# Altium PCB PCB_Rev1.1.PcbDoc (part 1 of 3) (continued)
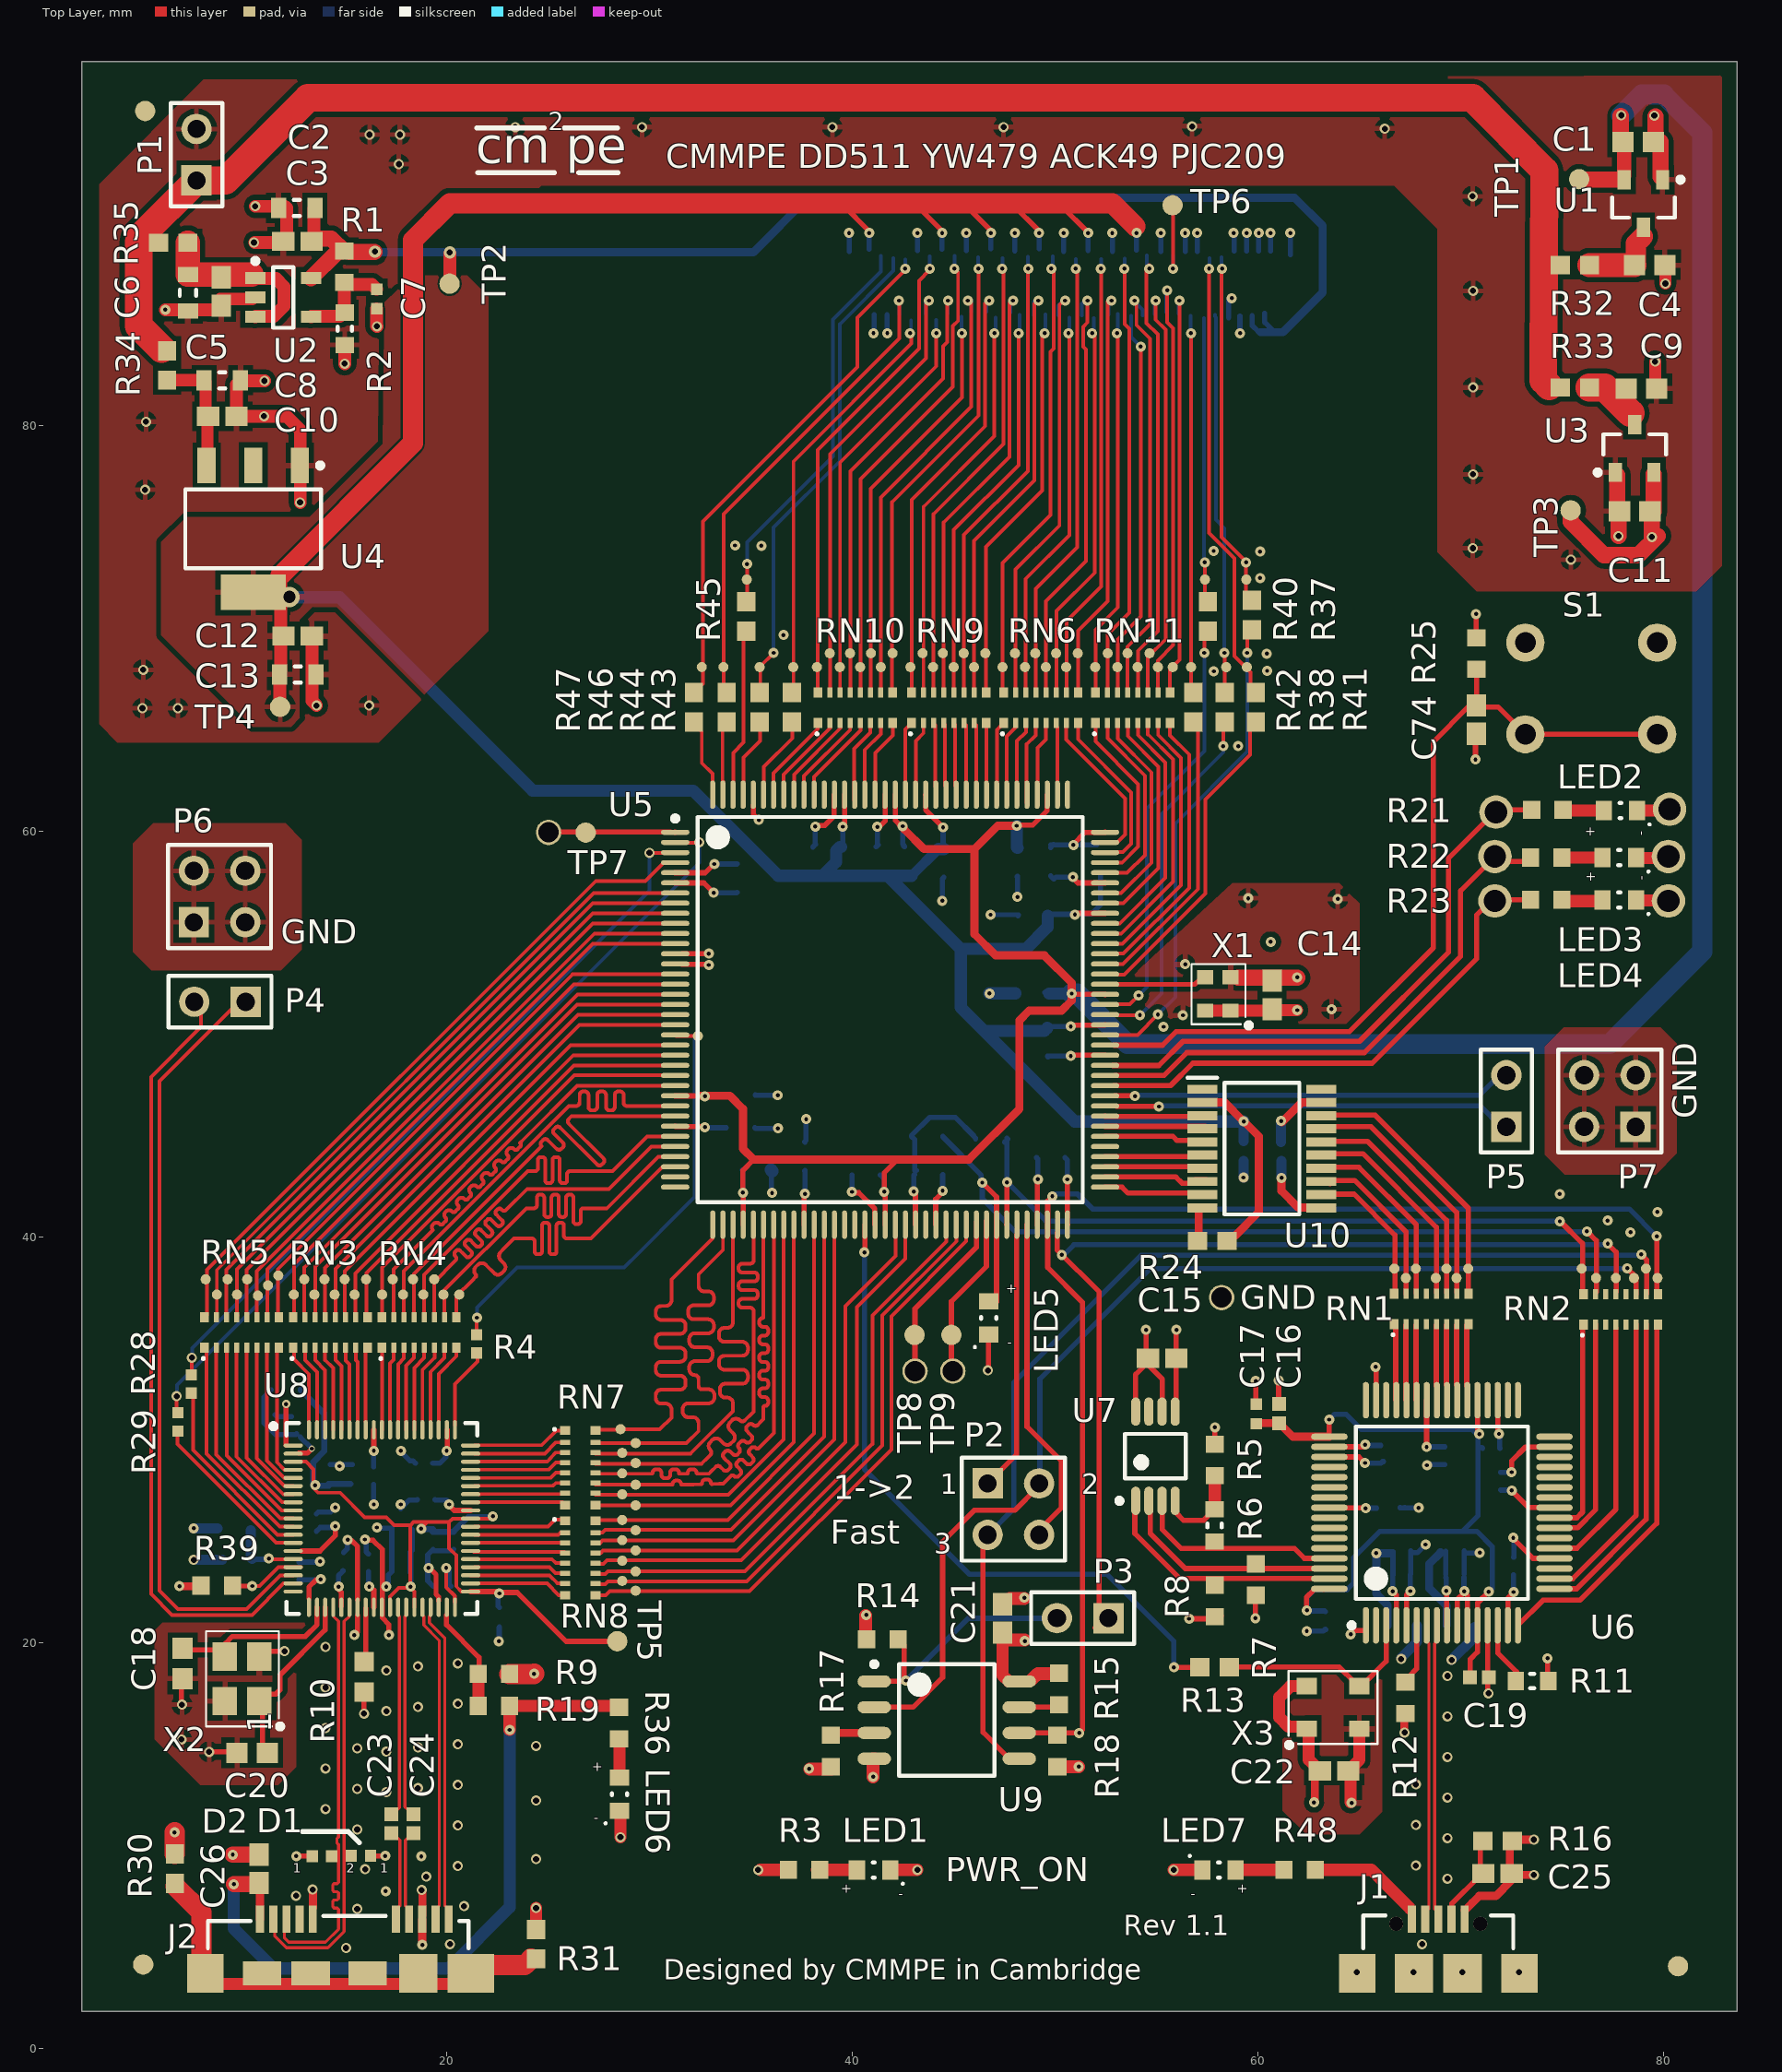
[diagram p0: Top Layer view]
## Components (designator, comment, footprint, x,y, rotation, side; value= is the part's Value field where it differs from the comment) (continued)
U9 "MT25QL128ABA1ESE-0SIT TR" Flash 44.647,16.174 r0 top
U10 "TXS0108EPWR" SOP65P640X120-20N 60.187,44.354 r0 top locked
X1 "DSC6101JI2A-024.0000" 24MHzOscillator 58.643,51.154 r90 top
X2 "ABM8G-30.000MHZ-18-D2Y-T" 30MHzOscillatorV2 10.739,17.11 r90 top
X3 "ECS-3225S33-120-FN-TR" 12MHzOscillator 62.395,15.748 r0 top value="12 MHz"

## Footprints (in the part's own frame and the unit in brackets; to place one, negate y for a bottom-side part, rotate by r counter-clockwise, add the part's x,y. Pads: shape width x height; smd on the part's side, far side on the other; paste and mask are expansions set on the pad)
12MHzOscillator [mm] "12 MHz Oscillator for FT2232H"
  rect 1x0.8 smd: 1(0,0) 3(2.6,0) 4(2.6,2.1) 6(0,2.1)
  silkscreen extent -0.98,-0.92 3.5,2.84
24MHzOscillator [mm] "24MHz Oscillator"
  rect 0.7x0.8 smd: 1(0,0) 2(1.65,0) 3(1.65,1.25) 4(0,1.25)
  silkscreen extent -0.85,-1.03 2.29,1.93
30MHzOscillatorV2 [mm]
  rect 1.4x1.2 smd: 1(0,0) 2(2.2,0) 3(2.2,1.7) 4(0,1.7)
  silkscreen extent -1.37,-1.15 3.44,2.63
629105136821 [mm] "Micro USB 2.0 SMT Type B Horizontal 5 Contacts"
  rect 0.4x1.35 smd: 1(-1.3,2.675) 2(-0.65,2.675) 3(0,2.675) 4(0.65,2.675) 5(1.3,2.675)
  round 0.7 hole 0.7 unplated: MH1(-2.075,2.45) MH2(2.075,2.45)
  rect 1.8x1.9 smd: Shell(-4,0) Shell(4,0)
  rect 1.9x1.9 smd: Shell(-1.2,0) Shell(1.2,0)
  silkscreen extent -3.7,1.25 3.7,2.85, body extent -4,-2.73 4,3.17, height 2.69
692622030100 [mm] "Micro USB 3.0 Type B Horizontal SMT"
  rect 0.4x1.35 smd: 1(-4.17,2.63) 2(-3.52,2.63) 3(-2.87,2.63) 4(-2.22,2.63) 5(-1.57,2.63) 6(2.53,2.63) 7(3.18,2.63) 8(3.83,2.63) 9(4.48,2.63) 10(5.13,2.63)
  rect 1.8x1.9 smd: Shell(-6.87,-0.045)
  rect 1.9x1.2 smd: Shell(-4.07,-0.045) Shell(-1.67,-0.045) Shell(1.13,-0.045)
  rect 1.9x1.9 smd: Shell(3.63,-0.045)
  rect 2.3x1.9 smd: Shell(6.23,-0.045)
  silkscreen extent -6.75,1.2 6.11,2.79, body extent -6.87,-2.8 6.87,2.81, height 2.77
Cap_0.1uF [mm]
  rect 1.1x0.95 smd: 1(-0.7,0) 2(0.7,0)
  body extent -0.85,-0.45 0.85,0.45, height 0.9
CAP_0.1UF_0402 [mm] "0.1uF capacitor case code 0402"
  rect 0.68x0.68 smd: 1(-0.47,0) 2(0.47,0)
  body extent -0.58,-0.33 0.58,0.32, height 0.65
Cap_0.1uF_0402 [mm] "0.1uF capacitor case code 0402"
  rect 0.68x0.68 smd: 1(-0.47,0) 2(0.47,0)
  body extent -0.58,-0.33 0.58,0.32, height 0.65
Cap_4.7uF [mm]
  rect 1.05x1 smd: 1(-0.75,0) 2(0.75,0)
  body extent -0.88,-0.48 0.87,0.47, height 0.95
CAP_4.7uF_0402 [mm] "4.7uF capacitor with the case code 0402"
  rect 0.56x0.58 smd: 1(-0.48,0) 2(0.48,0)
  body extent -0.53,-0.28 0.53,0.27, height 0.55
Cap_10uF [mm]
  rect 0.75x1 smd: 1(-0.9,0) 2(0.9,0)
  silkscreen extent -0.15,-0.4 0.15,0.4, body extent -0.9,-0.48 0.9,0.47, height 0.95
CAP_18pF_0603 [mm]
  rect 1.05x1 smd: 1(-0.75,0) 2(0.75,0)
  body extent -0.88,-0.48 0.87,0.47, height 1
CAP_470pF [mm]
  rect 0.56x0.58 smd: 1(-0.48,0) 2(0.48,0)
  body extent -0.87,-0.48 0.88,0.48, height 0.87
CAP_6700pF_0402 [mm]
  rect 0.56x0.58 smd: 1(-0.48,0) 2(0.48,0)
  body extent -0.53,-0.28 0.53,0.27, height 0.55
EEPROM [mm] "TSOP, 8-Leads, Body 3.00x3.00mm, Pitch 0.65mm, IPC Medium Density"
  oval 1.4x0.45 smd: 1(-2.2,0.975) 2(-2.2,0.325) 3(-2.2,-0.325) 4(-2.2,-0.975) 5(2.2,-0.975) 6(2.2,-0.325) 7(2.2,0.325) 8(2.2,0.975)
  silkscreen extent -2.32,-1.5 1.1,1.9, body extent -1.5,-1.5 1.5,1.5, height 1.1
ESD_Suppressor [mm] "ESD_Suppressor 0402 resistor like stuff"
  rect 0.56x0.58 smd: 1(-0.48,0) 2(0.48,0)
  body extent -0.52,-0.28 0.52,0.28, height 0.25
FerriteBeads [mm]
  rect 0.7x0.75 smd: 1(0,0) 2(1.45,0)
  silkscreen extent -0.6,-0.67 2.07,0.68
Flash [mm] "SOP, 8-Leads, Body 5.29x5.29mm, Pitch 1.27mm, IPC Medium Density"
  oval 1.65x0.6 smd: 1(-3.575,1.905) 2(-3.575,0.635) 3(-3.575,-0.635) 4(-3.575,-1.905) 5(3.575,-1.905) 6(3.575,-0.635) 7(3.575,0.635) 8(3.575,1.905)
  silkscreen extent -3.7,-2.75 2.35,2.88, body extent -2.75,-2.75 2.75,2.75, height 1.91
FT601_NoGND_Pad [mm]
  oval 0.95x0.2 smd: 1(-4.375,3.6) 2(-4.375,3.2) 3(-4.375,2.8) 4(-4.375,2.4) 5(-4.375,2) 6(-4.375,1.6) 7(-4.375,1.2) 8(-4.375,0.8) 9(-4.375,0.4) 10(-4.375,0) 11(-4.375,-0.4) 12(-4.375,-0.8) 13(-4.375,-1.2) 14(-4.375,-1.6) 15(-4.375,-2) 16(-4.375,-2.4) 17(-4.375,-2.8) 18(-4.375,-3.2) 19(-4.375,-3.6) 39(4.375,-3.6) 40(4.375,-3.2) 41(4.375,-2.8) 42(4.375,-2.4) 43(4.375,-2) 44(4.375,-1.6) 45(4.375,-1.2) 46(4.375,-0.8) 47(4.375,-0.4) 48(4.375,0) 49(4.375,0.4) 50(4.375,0.8) 51(4.375,1.2) 52(4.375,1.6) 53(4.375,2) 54(4.375,2.4) 55(4.375,2.8) 56(4.375,3.2) 57(4.375,3.6)
  oval 0.2x0.95 smd: 20(-3.6,-4.375) 21(-3.2,-4.375) 22(-2.8,-4.375) 23(-2.4,-4.375) 24(-2,-4.375) 25(-1.6,-4.375) 26(-1.2,-4.375) 27(-0.8,-4.375) 28(-0.4,-4.375) 29(0,-4.375) 30(0.4,-4.375) 31(0.8,-4.375) 32(1.2,-4.375) 33(1.6,-4.375) 34(2,-4.375) 35(2.4,-4.375) 36(2.8,-4.375) 37(3.2,-4.375) 38(3.6,-4.375) 58(3.6,4.375) 59(3.2,4.375) 60(2.8,4.375) 61(2.4,4.375) 62(2,4.375) 63(1.6,4.375) 64(1.2,4.375) 65(0.8,4.375) 66(0.4,4.375) 67(0,4.375) 68(-0.4,4.375) 69(-0.8,4.375) 70(-1.2,4.375) 71(-1.6,4.375) 72(-2,4.375) 73(-2.4,4.375) 74(-2.8,4.375) 75(-3.2,4.375) 76(-3.6,4.375)
  silkscreen extent -5.47,-4.7 4.7,4.7, body extent -4.55,-4.55 4.55,4.55, height 1
HDR1X2 [mm] "Connector; Header; 2 Position"
  rect 1.5x1.5 hole 0.9: 1(0,0)
  round 1.5 hole 0.9: 2(2.54,0)
  silkscreen extent -1.27,-1.27 3.81,1.27
HDR2X2 [mm] "Connector; Header; 2x2 Position"
  rect 1.5x1.5 hole 0.9: 1(0,0)
  round 1.5 hole 0.9: 2(0,2.54) 3(2.54,0) 4(2.54,2.54)
  silkscreen extent -1.27,-1.27 3.81,3.81
Hirose_connector [mm]
  rect 0.3x0.67 smd: 1(9.9,-1.532) 3(9.3,-1.532) 5(8.7,-1.532) 7(8.1,-1.532) 9(7.5,-1.532) 11(6.9,-1.532) 13(6.3,-1.532) 15(5.7,-1.532) 17(5.1,-1.532) 19(4.5,-1.532) 21(3.9,-1.532) 23(3.3,-1.532) 25(2.7,-1.532) 27(2.1,-1.532) 29(1.5,-1.532) 31(0.9,-1.532) 33(0.3,-1.532) 35(-0.3,-1.532) 37(-0.9,-1.532) 39(-1.5,-1.532) 41(-2.1,-1.532) 43(-2.7,-1.532) 45(-3.3,-1.532) 47(-3.9,-1.532) 49(-4.5,-1.532) 51(-5.1,-1.532) 53(-5.7,-1.532) 55(-6.3,-1.532) 57(-6.9,-1.532) 59(-7.5,-1.532) 61(-8.1,-1.532) 63(-8.7,-1.532) 65(-9.3,-1.532) 67(-9.9,-1.532)
  rect 0.3x0.5 smd: 2(9.6,1.532) 4(9,1.532) 6(8.4,1.532) 8(7.8,1.532) 10(7.2,1.532) 12(6.6,1.532) 14(6,1.532) 16(5.4,1.532) 18(4.8,1.532) 20(4.2,1.532) 22(3.6,1.532) 24(3,1.532) 26(2.4,1.532) 28(1.8,1.532) 30(1.2,1.532) 32(0.6,1.532) 34(0,1.532) 36(-0.6,1.532) 38(-1.2,1.532) 40(-1.8,1.532) 42(-2.4,1.532) 44(-3,1.532) 46(-3.6,1.532) 48(-4.2,1.532) 50(-4.8,1.532) 52(-5.4,1.532) 54(-6,1.532) 56(-6.6,1.532) 58(-7.2,1.532) 60(-7.8,1.532) 62(-8.4,1.532) 64(-9,1.532) 66(-9.6,1.532)
  rect 0.35x1 smd: 68(10.875,-1.368) 69(-10.875,-1.368)
  silkscreen extent -11.15,0 11.15,1.63
LATC-TQFP-144_L [mm] "QFP, 144-Leads, Body 20x20mm, Pitch 0.5mm, IPC High Density"
  oval 1.4x0.25 smd: 1(-10.6,8.75) 2(-10.6,8.25) 3(-10.6,7.75) 4(-10.6,7.25) 5(-10.6,6.75) 6(-10.6,6.25) 7(-10.6,5.75) 8(-10.6,5.25) 9(-10.6,4.75) 10(-10.6,4.25) 11(-10.6,3.75) 12(-10.6,3.25) 13(-10.6,2.75) 14(-10.6,2.25) 15(-10.6,1.75) 16(-10.6,1.25) 17(-10.6,0.75) 18(-10.6,0.25) 19(-10.6,-0.25) 20(-10.6,-0.75) 21(-10.6,-1.25) 22(-10.6,-1.75) 23(-10.6,-2.25) 24(-10.6,-2.75) 25(-10.6,-3.25) 26(-10.6,-3.75) 27(-10.6,-4.25) 28(-10.6,-4.75) 29(-10.6,-5.25) 30(-10.6,-5.75) 31(-10.6,-6.25) 32(-10.6,-6.75) 33(-10.6,-7.25) 34(-10.6,-7.75) 35(-10.6,-8.25) 36(-10.6,-8.75) 73(10.6,-8.75) 74(10.6,-8.25) 75(10.6,-7.75) 76(10.6,-7.25) 77(10.6,-6.75) 78(10.6,-6.25) 79(10.6,-5.75) 80(10.6,-5.25) 81(10.6,-4.75) 82(10.6,-4.25) 83(10.6,-3.75) 84(10.6,-3.25) 85(10.6,-2.75) 86(10.6,-2.25) 87(10.6,-1.75) 88(10.6,-1.25) 89(10.6,-0.75) 90(10.6,-0.25) 91(10.6,0.25) 92(10.6,0.75) 93(10.6,1.25) 94(10.6,1.75) 95(10.6,2.25) 96(10.6,2.75) 97(10.6,3.25) 98(10.6,3.75) 99(10.6,4.25) 100(10.6,4.75) 101(10.6,5.25) 102(10.6,5.75) 103(10.6,6.25) 104(10.6,6.75) 105(10.6,7.25) 106(10.6,7.75) 107(10.6,8.25) 108(10.6,8.75)
  oval 0.25x1.4 smd: 37(-8.75,-10.6) 38(-8.25,-10.6) 39(-7.75,-10.6) 40(-7.25,-10.6) 41(-6.75,-10.6) 42(-6.25,-10.6) 43(-5.75,-10.6) 44(-5.25,-10.6) 45(-4.75,-10.6) 46(-4.25,-10.6) 47(-3.75,-10.6) 48(-3.25,-10.6) 49(-2.75,-10.6) 50(-2.25,-10.6) 51(-1.75,-10.6) 52(-1.25,-10.6) 53(-0.75,-10.6) 54(-0.25,-10.6) 55(0.25,-10.6) 56(0.75,-10.6) 57(1.25,-10.6) 58(1.75,-10.6) 59(2.25,-10.6) 60(2.75,-10.6) 61(3.25,-10.6) 62(3.75,-10.6) 63(4.25,-10.6) 64(4.75,-10.6) 65(5.25,-10.6) 66(5.75,-10.6) 67(6.25,-10.6) 68(6.75,-10.6) 69(7.25,-10.6) 70(7.75,-10.6) 71(8.25,-10.6) 72(8.75,-10.6) 109(8.75,10.6) 110(8.25,10.6) 111(7.75,10.6) 112(7.25,10.6) 113(6.75,10.6) 114(6.25,10.6) 115(5.75,10.6) 116(5.25,10.6) 117(4.75,10.6) 118(4.25,10.6) 119(3.75,10.6) 120(3.25,10.6) 121(2.75,10.6) 122(2.25,10.6) 123(1.75,10.6) 124(1.25,10.6) 125(0.75,10.6) 126(0.25,10.6) 127(-0.25,10.6) 128(-0.75,10.6) 129(-1.25,10.6) 130(-1.75,10.6) 131(-2.25,10.6) 132(-2.75,10.6) 133(-3.25,10.6) 134(-3.75,10.6) 135(-4.25,10.6) 136(-4.75,10.6) 137(-5.25,10.6) 138(-5.75,10.6) 139(-6.25,10.6) 140(-6.75,10.6) 141(-7.25,10.6) 142(-7.75,10.6) 143(-8.25,10.6) 144(-8.75,10.6)
  silkscreen extent -10.72,-9.5 9.5,9.55, body extent -10,-10 10,10, height 1.6
LED_RED [mm] "Cathode in pin 2"
  rect 0.8x0.95 smd: 1(-0.825,0) 2(0.825,0)
  silkscreen extent -0.05,-0.74 1.49,0.37, body extent -0.85,-0.45 0.85,0.45, height 0.8
LM1117MP-2.5/NOPB [mm]
  rect 1.75x0.9 smd: 1(-3.125,2.3) 2(-3.125,0) 3(-3.125,-2.3)
  rect 1.75x3.2 smd: 4(3.125,0)
  silkscreen extent -3.25,-3.35 1.95,3.43, body extent -3.5,-3.35 3.5,3.35, height 1.8
LQFP-64_N [mm] "Thin QFP, 64-Leads, Body 10x10mm, Pitch 0.5mm, IPC Medium Density"
  oval 1.8x0.3 smd: 1(-5.55,3.75) 2(-5.55,3.25) 3(-5.55,2.75) 4(-5.55,2.25) 5(-5.55,1.75) 6(-5.55,1.25) 7(-5.55,0.75) 8(-5.55,0.25) 9(-5.55,-0.25) 10(-5.55,-0.75) 11(-5.55,-1.25) 12(-5.55,-1.75) 13(-5.55,-2.25) 14(-5.55,-2.75) 15(-5.55,-3.25) 16(-5.55,-3.75) 33(5.55,-3.75) 34(5.55,-3.25) 35(5.55,-2.75) 36(5.55,-2.25) 37(5.55,-1.75) 38(5.55,-1.25) 39(5.55,-0.75) 40(5.55,-0.25) 41(5.55,0.25) 42(5.55,0.75) 43(5.55,1.25) 44(5.55,1.75) 45(5.55,2.25) 46(5.55,2.75) 47(5.55,3.25) 48(5.55,3.75)
  oval 0.3x1.8 smd: 17(-3.75,-5.55) 18(-3.25,-5.55) 19(-2.75,-5.55) 20(-2.25,-5.55) 21(-1.75,-5.55) 22(-1.25,-5.55) 23(-0.75,-5.55) 24(-0.25,-5.55) 25(0.25,-5.55) 26(0.75,-5.55) 27(1.25,-5.55) 28(1.75,-5.55) 29(2.25,-5.55) 30(2.75,-5.55) 31(3.25,-5.55) 32(3.75,-5.55) 49(3.75,5.55) 50(3.25,5.55) 51(2.75,5.55) 52(2.25,5.55) 53(1.75,5.55) 54(1.25,5.55) 55(0.75,5.55) 56(0.25,5.55) 57(-0.25,5.55) 58(-0.75,5.55) 59(-1.25,5.55) 60(-1.75,5.55) 61(-2.25,5.55) 62(-2.75,5.55) 63(-3.25,5.55) 64(-3.75,5.55)
  silkscreen extent -5.67,-4.25 4.25,4.57, body extent -5,-5 5,5, height 1.6
MIC5205YM5 [mm] "LDO to generate VCC at 5.25V"
  rect 1x0.6 smd: 1(-1.375,0.95) 2(-1.375,0) 3(-1.375,-0.95) 4(1.375,-0.95) 5(1.375,0.95)
  silkscreen extent -1.5,-1.5 0.5,1.92, body extent -1.6,-1.51 1.6,1.51, height 1.45
MIC_LDO_1V2 [mm] "SOT23, 3-Leads, Body 2.86x2.35mm, Pitch 0.95mm, IPC Medium Density"
  rect 0.95x0.65 smd: 1(-1.175,0.95) 2(-1.175,-0.95) 3(1.175,0)
  silkscreen extent -1.3,-1.55 0.7,1.95, body extent -0.7,-1.52 0.7,1.53, height 1.12
MIC_LDO_3V3 [mm] "SOT23, 3-Leads, Body 2.86x2.35mm, Pitch 0.95mm, IPC Medium Density"
  rect 0.95x0.65 smd: 1(-1.175,0.95) 2(-1.175,-0.95) 3(1.175,0)
  silkscreen extent -1.3,-1.55 0.7,1.95, body extent -0.7,-1.52 0.7,1.53, height 1.12
RES_0 [mm] "Chip Resistor, 2-Leads, Body 1.60x0.80mm, IPC Medium Density"
  rect 0.95x0.9 smd: 1(-0.725,0) 2(0.725,0)
  body extent -0.85,-0.45 0.85,0.45, height 0.55
RES_1.6K [mm] "Chip Resistor, 2-Leads, Body 1.60x0.85mm, IPC Medium Density"
  rect 0.95x0.95 smd: 1(-0.75,0) 2(0.75,0)
  body extent -0.88,-0.48 0.87,0.48, height 0.55
RES_2.2K [mm] "Chip Resistor, 2-Leads, Body 1.60x0.80mm, IPC Medium Density"
  rect 0.8x0.9 smd: 1(-0.8,0) 2(0.8,0)
  silkscreen extent -0.1,-0.35 0.1,0.35, body extent -0.85,-0.45 0.85,0.45, height 0.55
RES_4.7K [mm] "Chip Resistor, 2-Leads, Body 1.60x0.80mm, IPC Medium Density"
  rect 0.85x0.9 smd: 1(-0.775,0) 2(0.775,0)
  body extent -0.85,-0.45 0.85,0.45, height 0.55
RES_10K [mm] "Chip Resistor, 2-Leads, Body 1.60x0.80mm, IPC Medium Density"
  rect 0.85x0.9 smd: 1(-0.775,0) 2(0.775,0)
  body extent -0.85,-0.45 0.85,0.45, height 0.55
RES_12K [mm] "Chip Resistor, 2-Leads, Body 1.60x0.80mm, IPC Medium Density"
  rect 0.85x0.9 smd: 1(-0.775,0) 2(0.775,0)
  body extent -0.85,-0.45 0.85,0.45, height 0.55
Res_33_0402 [mm] "33 Ohm resistor 0402"
  rect 0.55x0.55 smd: 1(-0.45,0) 2(0.45,0)
  body extent -0.53,-0.27 0.53,0.28, height 0.1
RES_100K [mm] "Chip Resistor, 2-Leads, Body 1.60x0.80mm, IPC Medium Density"
  rect 0.85x0.9 smd: 1(-0.775,0) 2(0.775,0)
  body extent -0.85,-0.45 0.85,0.45, height 0.55
RES_680 [mm] "Chip Resistor, 2-Leads, Body 1.60x0.80mm, IPC Medium Density"
  rect 0.85x0.9 smd: 1(-0.775,0) 2(0.775,0)
  body extent -0.85,-0.45 0.85,0.45, height 0.55
RESARRAY_0 [mm] "Chip Array, ConvexE, 16-Leads, Pitch 0.50mm,  Body 3.20x1.50mm,  IPC Medium Density"
  rect 0.5x0.425 smd: 1(-0.787,1.77) 8(-0.787,-1.904) 9(0.713,-1.904) 16(0.713,1.77)
  rect 0.5x0.25 smd: 2(-0.787,1.183) 3(-0.787,0.683) 4(-0.787,0.183) 5(-0.787,-0.317) 6(-0.787,-0.817) 7(-0.787,-1.317) 10(0.713,-1.317) 11(0.713,-0.817) 12(0.713,-0.317) 13(0.713,0.183) 14(0.713,0.683) 15(0.713,1.183)
  silkscreen extent -1.34,1.8 -1.3,1.85
ResArray_0 [mm] "Chip Array, ConvexE, 16-Leads, Pitch 0.50mm,  Body 3.20x1.50mm,  IPC Medium Density"
  rect 0.5x0.425 smd: 1(-0.787,1.77) 8(-0.787,-1.904) 9(0.713,-1.904) 16(0.713,1.77)
  rect 0.5x0.25 smd: 2(-0.787,1.183) 3(-0.787,0.683) 4(-0.787,0.183) 5(-0.787,-0.317) 6(-0.787,-0.817) 7(-0.787,-1.317) 10(0.713,-1.317) 11(0.713,-0.817) 12(0.713,-0.317) 13(0.713,0.183) 14(0.713,0.683) 15(0.713,1.183)
  silkscreen extent -1.34,1.8 -1.3,1.85
SchottkyDiode_CDBU0520 [mm]
  rect 0.85x1.05 smd: 1(-0.85,0) 2(0.85,0)
  silkscreen extent -0.05,-0.79 1.54,0.43, body extent -0.9,-0.5 0.9,0.5, height 0.85
SOP65P640X120-20N [mm]
  rect 1.475x0.45 smd: 1(-2.938,2.925) 2(-2.938,2.275) 3(-2.938,1.625) 4(-2.938,0.975) 5(-2.938,0.325) 6(-2.938,-0.325) 7(-2.938,-0.975) 8(-2.938,-1.625) 9(-2.938,-2.275) 10(-2.938,-2.925) 11(2.938,-2.925) 12(2.938,-2.275) 13(2.938,-1.625) 14(2.938,-0.975) 15(2.938,-0.325) 16(2.938,0.325) 17(2.938,0.975) 18(2.938,1.625) 19(2.938,2.275) 20(2.938,2.925)
  silkscreen extent -3.67,-3.25 1.85,3.5, body extent -3.2,-3.25 3.2,3.25, height 1.2
TACTILE-PTH [mil]
  round 74 / inner round 60 / far side round 74 hole 40: 1(-128,89) 2(128,89) 3(-128,-89) 4(128,-89)
  body extent -156,-118 155,118, height 197
testpoint#1 [mm]
  round 1 smd: 1(0,0)
testpoint#2 [mm]
  round 1 smd: 1(0.166,0)
testpoint#3 [mm]
  round 1 smd: 1(-0.014,0)

## Part data
C1 C4 C9 C11: library part Cap_4.7uF, "Multilayer Ceramic Capacitors MLCC - SMD/SMT 6.3V 4.7uF 0603 X5R 10%", Manufacture No.=C0603C475K9P7411, Package=0603, Component Name=Cap, Created By="Daoming Dong", Datasheet URL.=https://www.mouser.co.uk/datasheet/2/212/KEM_C1006_X5R_SMD-1103249.pdf, Date Created=01-Mar-2019, Mouser No.=80-C0603C475K9P7411
C2 C6 C8 C13: library part Cap_10uF, "Multilayer Ceramic Capacitors MLCC - SMD/SMT 0603 6.3V 10uF X5R 10% Soft Term", Package=0603, Created By="Daoming Dong", Datasheet URL.=https://www.mouser.co.uk/datasheet/2/400/lcc_commercial_soft_en-520032.pdf, Date Created=01-Mar-2019, Manufacture No.=C1608X5R0J106K080AE, Mouser No.=810-C1608X5R0J106KE, Name=Cap
C3 C5 C10 C12 C14 C15 C21 C22 C25 C26 C27 C28 C29 C30 C31 C32 C33 C34 C35 C36 C37 C38 C39 C40 C41 C42 C59 C74: library part Cap_0.1uF, "Multilayer Ceramic Capacitors MLCC - SMD/SMT 0.1uF 10% 50V AEC-Q200", Package=0603, Component Name=Cap, Created By="Daoming Dong", Datasheet URL=https://www.mouser.co.uk/datasheet/2/447/UPY-AC_NP0X7R_16V-to-630V_11-1511105.pdf, Date Created=01-Mar-2019, Manufacture No.=AC0603KRX7R9BB104, Mouser No.=603-AC0603KR9BB104
C7: library part Cap_470pF, "Multilayer Ceramic Capacitors MLCC - SMD/SMT 25V 470pF X7R 0402 10% AEC-Q200", Case Code=0603, Manufacture=KEMET, Component Name=Cap, Created By="Daoming Dong", Datasheet URL.=https://www.mouser.co.uk/datasheet/2/212/KEM_C1014_X7R_FE-CAP_SMD-1102761.pdf, Date Created=13-Mar-2019, Manufacture No.=C0402S471K3RACAUTO, Mouser No.=80-C0402S471K3RAUTO
C16 C19 C23 C24 C44 C45 C46 C48 C49 C50 C51 C52 C53 C54 C55 C56 C62 C63 C64 C65 C66 C67 C68 C70 C72 C75 C76: library part CAP_0.1uF_0402, "Multilayer Ceramic Capacitors MLCC - SMD/SMT 100nF 10V X5R 10%", Case Code=0402, Manufacture=Yageo, Component Name=Cap, Created By="Daoming Dong", Datasheet URL.=https://www.mouser.co.uk/datasheet/2/447/UPY-GPHC_X5R_4V-to-50V_25-1131599.pdf, Date Created=11-Mar-2019, Manufacture No.=CC0402KPX5R6BB104, Mouser No.=603-CC402KPX5R6BB104
C17 C43 C58 C60 C61 C71: library part Cap_4.7uF_0402, "Multilayer Ceramic Capacitors MLCC - SMD/SMT 0402 6.3V 4.7uF X5R 10% T: 0.5mm", Case Code=0402, Manufactue=TDK, Component Name=Cap, Created By="Daoming Dong", Datasheet URL.=https://www.mouser.co.uk/datasheet/2/400/lcc_commercial_general_en-837201.pdf, Date Created=13-Mar-2019, Manufacture No.=C1005X5R0J475K050BC, Mouser No.=810-C1005X5R0J475K
C18 C20: library part Cap_18pF_0603, "Multilayer Ceramic Capacitors MLCC - SMD/SMT 50V 18pF 0603 X7R 10% AEC-Q200", Case Code=0603, Manufacture=KEMET, Component Name=Cap, Datasheet URL.=https://www.mouser.co.uk/datasheet/2/212/KEM_C1023_X7R_AUTO_SMD-1093309.pdf, Manufacture No.=C0603C180K5RACAUTO, Mouser No.=80-C0603C180K5RAUTO
C47 C57 C69: library part Cap_6800pF_0402, "Multilayer Ceramic Capacitors MLCC - SMD/SMT 50V 6800pF X7R 0402 10% AEC-Q200", Case Code=0402, Manufacture=KEMET, Component Name=Cap, Created By="Daoming Dong", Datasheet URL.=https://www.mouser.co.uk/datasheet/2/212/KEM_C1090_X7R_ESD-1103328.pdf, Date Created=18-Mar-2019, Manufacture No.=C0402C682K5RECAUTO, Mouser No.=80-C0402C682K5RECAUT
D1 D2: library part ESD_Suppresor, "ESD Suppressors / TVS Diodes PULSEGUARD 0402 ESD SUPPRESSOR", Case Code=0402, Manufacature=Littelfuse, Component Name="ESD Suppressor", Created By="Daoming Dong", Datasheet URL.=https://www.mouser.co.uk/datasheet/2/240/Littelfuse_PulseGuard_PGB1_Datasheet.pdf-461684.pdf, Date Created=12-Mar-2019, Manufacture No.=PGB1010402KR, Mouser No.=576-PGB1010402KR
D3: library part SDiode_CDBU0520, "Schottky Diodes & Rectifiers VR=20V, IO=500mA", Case Code=0603, Manufacture="Comchip Technology", Created By="Daoming Dong", Datasheet URL.=https://www.mouser.co.uk/datasheet/2/80/CDBU0520-HF-RevA797161-1481024.pdf, Date Created=03-May-2019, Manufacture No.=CDBU0520, Mouser No.=750-CDBU0520
J1: "Micro USB 2.0 Type B Receptacle WR-COM, Horizontal, SMT, with Pads and Pegs", Contact Resistance="30 mOhm", Operating Temperature="-40 to 105 degC", Rated Current="1 A", Working Voltage="30 VAC", ComponentLink1Description=Manufacturer, ComponentLink1URL=http://www.we-online.de, ComponentLink2Description=Datasheet, ComponentLink2URL=https://katalog.we-online.de/em/datasheet/629105136821.pdf, Connector Type="Micro USB 2.0 Type B", Gender=Receptacle, Mounting Technology=SMT, Orientation=Horizontal, Packaging="Tape and Reel", Part Number=629105136821, Published Date="September 2018", Publisher="Wurth Elektronik"
J2: "Micro USB 3.0 Type B Receptacle WR-COM, Horizontal, SMT, with Pads", Contact Resistance="50 mOhm", Operating Temperature="-20 to 85 degC", Rated Current="0.25 A", Working Voltage="30 VAC", ComponentLink1Description=Manufacturer, ComponentLink1URL=http://www.we-online.de, ComponentLink2Description=Datasheet, ComponentLink2URL=https://katalog.we-online.de/em/datasheet/692622030100.pdf, Connector Type="Micro USB 3.0 Type B", Gender=Receptacle, Mounting Technology=SMT, Orientation=Horizontal, Packaging="Tape and Reel", Part Number=692622030100, Published Date="September 2018", Publisher="Wurth Elektronik"
J3: "FFC & FPC Connectors FPC ZIF CONN 67 POS SMT HORZ MNT", Manufacture="Hirose Connector", Component Name="Hirose Connector FH39A-67S-0.3SHW(10)", Created By="Daoming Dong", Datasheet URL.=https://www.mouser.co.uk/datasheet/2/185/_catalog-939287.pdf, Date Created=05-Mar-2019, Manufacture No.=FH39A-67S-0.3SHW(10), Mouser No.=798-FH39A-67S-0.3SHW(10)
L1 L2: library part "Ferrite Bead", "Ferrite Bead, 0603 [1608 Metric], 600 ohm, 500 mA, WE-CBF HF Series, 0.35 ohm, ± 25%", Case Code=0603, Manufacture="Wurth Electronics", Component Name="Ferrite Bead", Created By="Youchao Wang", Datasheet URL=https://www.mouser.co.uk/datasheet/2/445/742863160-538931.pdf, Date Created=22-Mar-2019, Manufacture No.=742863160, Mouser No.=710-742863160
L3: library part FerriteBeadForFT601, "Ferrite Beads 0603 30ohms 1000mA Auto Infotainment", Case Code=0603, Manufacture=muRata, Component Name="Ferrite Beads", Created By="Daoming Dong", Data Created=25th-Mar-2019, Datasheet URL.=https://www.mouser.co.uk/datasheet/2/281/c51e-794816.pdf, Manufacture No.=BLM18PG300SZ1D, Mouser No.=81-BLM18PG300SZ1D
LED1 LED2 LED3 LED4 LED5 LED6 LED7: library part LED_RED, "Standard LEDs - SMD RED", Case Code=0603, Component Name=LED_R, Created By="Daoming Dong", Datasheet URL.=https://www.mouser.co.uk/datasheet/2/427/tlmb1100-279843.pdf, Date Created=11-Mar-2018, Manufacture No.=TLMS1000-GS08, Mouser No.=78-TLMS1000, Vf=1.8V
P1 P3 P4 P5: "Header, 2-Pin", LatestRevisionDate=17-Jul-2002, LatestRevisionNote="Re-released for DXP Platform.", Publisher="Altium Limited"
P2 P6 P7: "Header, 4-Pin", LatestRevisionDate=17-Jul-2002, LatestRevisionNote="Re-released for DXP Platform.", Publisher="Altium Limited"
R1 R3 R21 R22 R23 R26 R36 R48: library part Res_680, "Thin Film Resistors - SMD 680 ohm 1% 50 ppm Thin Film", Case Code=0603, Manufacture=Yageo, Component Name=Res, Created By="Daoming Dong", Datasheet URL.=https://www.mouser.co.uk/datasheet/2/447/PYu-RT_1-to-0.01_RoHS_L_9-1222720.pdf, Date Created=02-Mar-2019, Manufacture No.=RT0603FRE13680RL, Mouser No.=603-RT0603FRE13680RL
R2 R6 R11: library part Res_2.2K, "Thick Film Resistors - SMD 1/10Watt 2.2Kohms 5% Commercial Use", Case Code=0603, Manufacture=Vishay, Component Name=Res, Created By="Daoming Dong", Datasheet URL.=https://www.mouser.co.uk/datasheet/2/427/crcwce3-1223726.pdf, Date Created=02-Mar-2019, Manufacture No.=CRCW06032K20JNEAC, Mouser No.=71-CRCW06032K20JNEAC
R4 R28 R29: library part Res_33_0402, "Thick Film Resistors - SMD 0402 Resistor 0.5% 100ppm 33Ohm", Case Code=0402, Manufacture=Panasonic, Component Name=Res, Created By.="Daoming Dong", Datasheet URL.=https://www.mouser.co.uk/datasheet/2/315/AOA0000C304-1149620.pdf, Date Created=12-Mar-2019, Manufcature No.=ERJ2RKD33R0X, Mouser No.=667-ERJ-2RKD33R0X
R5 R7 R8 R9 R14 R15 R17 R18 R25 R27 R39: library part Res_10K, "Thin Film Resistors - SMD 10K ohm 0.05% 50 ppm High-Precision", Case Code=0603, Manufacture=Yageo, Component Name=Res, Created By="Daoming Dong", Datasheet URL.=https://www.mouser.co.uk/datasheet/2/447/PYu-RT_1-to-0.01_RoHS_L_9-1222720.pdf, Date Created=02-Mar-2019, Manufacture No.=RT0603WRE0710KL, Mouser No.=603-RT0603WRE0710KL
R10: library part Res_1.6K, "Thick Film Resistors - SMD 0603 Resistor 0.5% 50ppm 1.6KOhm", Case Code=0603, Manufacture=Panasonic, Component Name=Res, Created By="Daoming Dong", Datasheet URL.=https://www.mouser.co.uk/datasheet/2/315/AOA0000C304-1149620.pdf, Date Created=02-Mar-2019, Manufacture No.=ERJ-3RBD1601V, Mouser No.=667-ERJ-3RBD1601V
R12: library part Res_12K, "Thick Film Resistors - SMD 12K ohm 1% 1/10W AEC-Q200", Case Code=0603, Manufacture=Yageo, Component Name=Res, Created By="Daoming Dong", Datasheet URL.=https://www.mouser.co.uk/datasheet/2/447/PYu-AC_51_RoHS_L_6-1152827.pdf, Date Created=02-Mar-2019, Manufacture No.=AC0603FR-1012KL, Mouser No.=603-AC0603FR-1012KL
R13 R16 R24 R30 R31 R32 R33 R34 R35 R37 R38 R40 R41 R42 R43 R44 R45 R46 R47: library part Res_0, "Thick Film Resistors - SMD 1/10Watt 0ohms Commercial Use", Case Code=0603, Manufacture=Vishay, Component Name=Res, Created By="Daoming Dong", Datasheet URL.=https://www.mouser.co.uk/datasheet/2/427/crcwce3-1223726.pdf, Date Created=02-Mar-2019, Manufacture No.=CRCW06030000Z0EAC, Mouser No.=71-CRCW06030000Z0EAC
R19: library part Res_4.7K, "Thick Film Resistors - SMD 4.7K ohm 5% 1/10W AEC-Q200", Case Code=0603, Manufacture=Yageo, Component Name=Res, Created By="Daoming Dong", Datasheet URL.=https://www.mouser.co.uk/datasheet/2/447/PYu-AC_51_RoHS_L_6-1152827.pdf, Date Created=02-Mar-2019, Manufacture No.=AC0603JR-134K7L, Mouser No.=603-AC0603JR-134K7L
R20: library part Res_100K, "Thick Film Resistors - SMD 100K ohm 10% 75V AEC-Q200", Case Code=0603, Manufacture=Yageo, Component Name=Res, Created By="Daoming Dong", Datasheet URL.=https://www.mouser.co.uk/datasheet/2/447/PYu-SR_20105_RoHS_L_7-1488668.pdf, Date Created=02-Mar-2019, Manufacture No.=SR0603KR-07100KL, Mouser No.=603-SR0603KR-07100KL
RN1 RN2: library part ResArray_0, "Resistor Networks & Arrays 0402 Zero ohm Jumper Convex Term AEC-Q200", Case Code=0402, Manufacture=Panasonic, Created By="Daoming Dong", Datasheet URL.=https://www.mouser.co.uk/datasheet/2/315/AOC0000C14-1108062.pdf, Date Created=11-Mar-2019, Manufacture No.=EXB-2HVR000V, Mouser No.=667-EXB-2HVR000V
RN3 RN4 RN5 RN6 RN7 RN8 RN9 RN10 RN11: library part ResArray, "Resistor Networks & Arrays 33 OHM 5%", Component Name="Resistor Array", Datasheet URL.=https://www.mouser.co.uk/datasheet/2/315/AOC0000C14-1108062.pdf, Date Created=11-Mar-2019, Manufacture No.=EXB-2HV330JV, Mouser No.=667-EXB-2HV330JV
S1: library part TAC_SWITCHPTH, Package=TACTILE-PTH, DeviceName=PTH, DeviceSetName=TAC_SWITCH, GateName_1=S, LibraryName=SparkFun-Electromechanical, SymbolName_1=SWITCH-MOMENTARY
TP1 TP2 TP3 TP4 TP5 TP6 TP7: library part Testpoint, "Testpoint for testing voltage", Created By="Daoming Dong", Date Created=11-Mar-2019
TP8 TP9: "Testpoint for testing voltage", Created By="Daoming Dong", Date Created=11-Mar-2019
U1: library part MIC_LDO_1V2, "LDO Voltage Regulators 250mA Adj LDO 2%", Manufacture=Microchip, Component Name="LDO 1.2V", Created By="Daoming Dong", Datasheet URL.=https://www.mouser.co.uk/datasheet/2/268/MCP1700-Low-Quiescent-Current-LDO-20001826E-737536.pdf, Date Created=13-Mar-2019, Manufacture No.=MCP1700T-1202E/TT, Mouser No.=579-MCP1700T1202E/TT
U2: library part MIC5205YM5, "LDO Voltage Regulators 150mA 1% Low Noise LDO", Manufacture="Microchip Technology", Created By="Daoming Dong", Datasheet URL.=https://www.mouser.co.uk/datasheet/2/268/mic5205-778789.pdf, Date Created=11-Mar-2019, Manufacture No.=MIC5205YM5-TR, Mouser No.=998-MIC5205YM5TR
U3: library part MIC_LDO_3V3, "3.3v LDO Voltage Regulators 250mA Adj LDO 2%", Manufacture=Microchip, Component Name=LDO, Created By="Daoming Dong", Datasheet URL.=https://www.mouser.co.uk/datasheet/2/268/MCP1700-Low-Quiescent-Current-LDO-20001826E-737536.pdf, Date Created=14-Mar-2019, Manufacture No.=MCP1700T-3302E/TT, Mouser No.=579-MCP1700T3302E/TT
U4: library part LDO_2V5, "LDO Voltage Regulators 800mA LDO Linear Reg", Manufacture="Texas Instruments", Created By="Daoming Dong", Datasheet URL.=http://www.ti.com/general/docs/suppproductinfo.tsp?distId=26&gotoUrl=http%3A%2F%2Fwww.ti.com%2Flit%2Fds%2Fsymlink%2Flm1117.pdf, Date Created=05-Mar-2019, Manufacture No.=LM1117MP-2.5/NOPB, Mouser No.=926-LM1117MP-2.5/NOPB
U5: "iCE40 HX4K Series FPGA Family, 3520 Logic Cells, 1.2 V Core, 80 K Embedded RAM Bits, 144-pin TQFP, Pb-Free, Tray", Manufacturer="Lattice Semiconductor", Supplier Part Number 1=220-1572-ND, Supply Voltage=1.2V, ComponentLink1Description="Manufacturer URL", ComponentLink1URL=http://www.latticesemi.com/en, ComponentLink2Description=Datasheet, ComponentLink2URL=http://www.latticesemi.com/~/media/Documents/DataSheets/iCE/iCE40LPHXFamilyDataSheet.pdf, ComponentLink3Description="Package Specification", ComponentLink3URL=http://www.latticesemi.com/lit/docs/package/pkg.pdf, DatasheetVersion="Rev. 02.9", Embedded RAM Bits=80K, Logic Cells=3520, Mounting Technology="Surface Mount", PackageDescription="144-Pin Thin Quad Flat Package, Body 20 x 20 mm, Pitch 0.5 mm", PackageReference=TQFP-144, PackageVersion="Rev. 03.9, 02/2013", Packing=Tray, PartNumber=ICE40HX4K-TQ144, Phase-Locked Loops=2, RoHS=TRUE, Supplier 1=Digi-Key, Supplier 2=Mouser, Supplier Part Number 2=842-ICE40HX4K-TQ144
U6: "Dual High Speed USB To Multipurpose UART/FIFO IC, 64-pin LQFP, Tape and Reel", Manufacturer=FTDI, ComponentLink1Description="Manufacturer URL", ComponentLink1URL=http://www.ftdichip.com/, ComponentLink2Description=Datasheet, ComponentLink2URL=http://www.ftdichip.com/Support/Documents/DataSheets/ICs/DS_FT2232H.pdf, DatasheetVersion="ver 2.21, Jun-2012", PackageDescription="64-Pin Thin Quad Flat Pack, 10 x 10 x 1.4 mm Body, 0.5 mm Pitch", PackageReference=LQFP-64, PackageVersion=Jun-12, PartNumber=FT2232HL-Reel
U7: library part EEPROM, "EEPROM 128x16 for FT2232", Manufacture=Microchip, Package=MSOP-8, Created By="Daoming Dong", Date Crated=11-Mar-2019, Manufactur No.=93LC56BT-E/MS, Mouser No.=579-93LC56BT-E/MS, Organisation=128x16
U8: "USB Interface IC USB 3.0 Super-Speed 32Bits Sync FIFO", Created By="Daoming Dong", Datasheet URL=http://www.farnell.com/datasheets/2263949.pdf, Date Created="25th Feb 2019", Farnell Order Code=2748207, Manufacture Part No.=FT601Q-B-T, RS Stock No.=146-6840
U9: library part Flash, "NOR Flash SPI FLASH NOR SLC 32MX4 SOIC", Manufacture=Micron, Created By="Daoming Dong", Datasheet URL.=https://www.mouser.co.uk/datasheet/2/671/MT25Q_QLHS_L_128_ABA_0-1287003.pdf, Date Created=05-Mar-2019, Manufacture No.="MT25QL128ABA1ESE-0SIT TR", Mouser No.=340-224871-REEL
U10: library part Level_Shfter_8bits, "Integrated Circuit", Manufacturer_Name="Texas Instruments", Mouser Part Number=595-TXS0108EPWR, Datasheet Link=http://www.ti.com/lit/ds/symlink/txs0108e.pdf, Height=1.2mm, Manufacturer_Part_Number=TXS0108EPWR, Mouser Price/Stock=https://www.mouser.com/Search/Refine.aspx?Keyword=595-TXS0108EPWR
X1: library part 24MHzOscillator, "Standard Clock Oscillators MEMS Oscillator, Ultra Low Power, LVCMOS, -40C-85C, 25ppm, 2.5x2.0mm", Frequency="24 MHz", Frequency Stability="25 PPM", Manufacture=Microchip, Created By="Daoming Dong", Datasheet URL.=https://www.mouser.co.uk/datasheet/2/268/20005624B-1149202.pdf, Date Created=12-Mar-2019, Manufacture No.=DSC6101JI2A-024.0000, Mouser No.=579-C6101JI2A0240000
X2: library part 30MHzOscillator, "Crystals 30.000MHz 18pF 30ppm -40C +85C", Component Name="30MHz Oscillator", Created By="Youchao Wang", Datasheet URL.=https://www.mouser.co.uk/datasheet/2/3/ABM8G-10572.pdf, Date Created="29th Aug 2019", Manufacture No.=ABM8G-30.000MHZ-18-D2Y-T, Mouser Stock No.=815-ABM8G-30-18D2Y
X3: library part 12MHzOscillator, "Standard Clock Oscillators 12MHz 3.3V 10ppm -40C +85C", Frequency Stability="10 PPM", Component Name="12 MHz Crystal Oscillators", Datasheet URL.=https://www.mouser.co.uk/datasheet/2/122/ECS-3225S-1064150.pdf, Date Created=12-Mar-2019, Manufacture No.=ECS-3225S33-120-FN-TR, Mouser No.=520-3225S33-120-FNT

## Free pads (board coordinates)
  round 1.25 hole 1 mask+0.076: 1(25.01,59.942) 1(43.079,33.381) 1(44.944,33.381) 1(58.202,37.005)
  round 1.65 hole 1.1 mask+0.076: 1(71.682,56.563) 1(71.682,58.755) 1(71.736,60.943) 1(80.239,56.563) 1(80.239,58.755) 1(80.293,61.086)
  round 0.5 smd: 2(8.097,37.907) 2(8.649,37.153) 2(9.175,37.907) 2(9.645,37.153) 2(10.145,37.907) 2(10.672,37.102) 2(11.17,37.607) 2(11.679,38.092) 2(12.443,37.153) 2(12.96,37.907) 2(13.457,37.153) 2(13.954,37.907) 2(14.452,37.153) 2(14.949,37.907) 2(15.441,37.153) 2(16.009,37.907) 2(16.801,37.153) 2(17.321,37.907) 2(17.832,37.153) 2(18.322,37.907) 2(18.831,37.153) 2(19.369,37.907) 2(19.821,37.153) 2(20.604,37.153) 2(28.559,30.519) 2(28.638,23.037) 2(28.638,24.032) 2(28.638,25.046) 2(28.638,26.042) 2(28.638,27.306) 2(28.638,28.342) 2(28.638,29.347) 2(29.302,22.551) 2(29.302,23.501) 2(29.302,24.542) 2(29.302,25.538) 2(29.302,26.763) 2(29.302,27.777) 2(29.302,28.847) 2(29.302,29.833) 2(32.564,68.096) 2(33.631,68.096) 2(34.784,72.411) 2(35.42,68.096) 2(37.074,68.096) 2(38.245,68.096) 2(38.879,68.777) 2(39.37,68.096) 2(39.879,68.777) 2(40.376,68.096) 2(40.907,68.777) 2(41.392,68.096) 2(41.974,68.777) 2(42.855,68.096) 2(43.453,68.777) 2(43.973,68.096) 2(44.453,68.777) 2(44.989,68.096) 2(45.481,68.777) 2(45.995,68.096) 2(46.548,68.777) 2(47.395,68.096) 2(48.013,68.777) 2(48.504,68.096) 2(49.013,68.777) 2(49.53,68.096) 2(50.041,68.777) 2(50.536,68.096) 2(51.108,68.777) 2(51.967,68.096) 2(52.587,68.777) 2(53.065,68.096) 2(53.563,68.777) 2(54.052,68.096) 2(54.646,68.777) 2(55.057,68.096) 2(55.794,68.095) 2(56.697,68.096) 2(57.383,72.411) 2(58.43,68.092) 2(59.419,72.411) 2(59.445,68.096) 2(66.719,38.433) 2(67.287,37.97) 2(67.78,38.433) 2(68.766,37.97) 2(69.291,38.433) 2(69.784,37.97) 2(70.363,38.433) 2(75.959,38.433) 2(76.669,37.97) 2(77.644,37.97) 2(78.536,37.97) 2(79.13,38.433) 2(79.697,37.97)
  round 1 smd paste-1 mask+0.5: ""(5.016,4.123) ""(5.111,95.513) ""(80.712,4.037)
  round 1 smd far side paste-1 mask+0.5: ""(5.016,4.123) ""(5.105,95.513) ""(80.712,4.037)

## Via types
v1: diameter 0.5, hole 0.2, Top Layer to Bottom Layer, tented both sides, 239 vias
v2: diameter 0.5, hole 0.3, Top Layer to Bottom Layer, tented both sides, 105 vias
v3: diameter 0.6, hole 0.3, Top Layer to Bottom Layer, tented both sides, 2 vias
v4: diameter 1, hole 0.6, Top Layer to Bottom Layer, tented both sides, 1 vias
v5: diameter 0.3, hole 0.2, Top Layer to Bottom Layer, tented both sides, 1 vias
v6: diameter 0.4, hole 0.2, Top Layer to Bottom Layer, tented both sides, 1 vias

## Nets (pads, with @x,y where several pads share a name; then routed paths per layer and width w, separated by ;. In a path a pad name is that pad's centre, name@x,y a point inside that pad or via, vN(x,y) a via of type N, cw(c..) or ccw(c..) an arc to the next point about the centre after c; other vN are vias at no path point)
BE0: RN5.8 U8.4 | length 6.6
  Top Layer w0.18: RN5.8@11.709,34.529 11.607,34.426 11.607,28.886 11.982,28.511 U8.4@12.413,28.511
BE1: RN5.7 U8.5 | length 7.2
  Top Layer w0.18: RN5.7@11.122,34.524 11.122,28.973 11.984,28.111 U8.5@12.413,28.111
BE2: RN5.6 U8.6 | length 7.8
  Top Layer w0.18: RN5.6@10.622,34.524 10.622,29.075 11.982,27.715 12.41,27.715 U8.6@12.413,27.711
BE3: RN5.5 U8.7 | length 8.5
  Top Layer w0.18: RN5.5@10.122,34.524 10.122,29.111 11.922,27.311 U8.7@12.413,27.311
C\T\S\: U5.76 U10.6 | length 5
  Top Layer w0.254: U5.76@52.453,43.951 56.69,43.951 56.848,44.109 U10.6@57.432,44.109
CTSRN: pad.2@68.766,37.97 RN1.12 U10.15 | length 9.7
  Top Layer w0.254: U10.15@63.861,44.099 65.175,44.099 68.797,40.477 RN1.12@68.797,37.246
D0: RN8.8 U8.40 | length 4.9
  Top Layer w0.18: U8.40@21.163,22.911 24.93,22.911 25.511,22.33 RN8.8@25.831,22.33
D1: RN8.7 U8.41 | length 4.8
  Top Layer w0.18: U8.41@21.163,23.311 25.053,23.311 25.448,22.917 RN8.7@25.831,22.917
D2: RN8.6 U8.42 | length 4.6
  Top Layer w0.18: U8.42@21.376,23.711 25.052,23.711 25.346,23.417 RN8.6@25.831,23.417
D3: RN8.5 U8.43 | length 4.3
  Top Layer w0.18: U8.43@21.364,24.111 25.171,24.111 25.372,23.91 RN8.5@25.601,23.91
D4: RN8.4 U8.44 | length 4.5
  Top Layer w0.18: U8.44@21.319,24.461 RN8.4@25.774,24.461
D5: RN8.3 U8.45 | length 4.5
  Top Layer w0.18: U8.45@21.376,24.911 RN8.3@25.831,24.911
D6: RN8.2 U8.46 | length 4.5
  Top Layer w0.18: U8.46@21.376,25.311 25.495,25.311 25.601,25.417 RN8.2@25.831,25.417
D7: RN8.1 U8.47 | length 4.6
  Top Layer w0.18: U8.47@21.376,25.711 24.978,25.711 25.316,26.048 RN8.1@25.822,26.048
D8: RN7.8 U8.50 | length 4.5
  Top Layer w0.18: U8.50@21.376,26.911 25.699,26.911 RN7.8@25.831,26.779
D9: RN7.7 U8.51 | length 4.2
  Top Layer w0.18: U8.51@21.624,27.307 RN7.7@25.831,27.329
D10: RN7.6 U8.52 | length 4.5
  Top Layer w0.18: U8.52@21.376,27.711 25.23,27.731 25.361,27.864 RN7.6@25.831,27.866
D11: RN7.5 U8.53 | length 4.6
  Top Layer w0.18: U8.53@21.376,28.111 25.127,28.131 25.362,28.366 RN7.5@25.831,28.366
D12: RN7.4 U8.54 | length 4.6
  Top Layer w0.18: U8.54@21.376,28.511 25.027,28.531 25.362,28.866 RN7.4@25.831,28.866
D13: RN7.3 U8.55 | length 4.6
  Top Layer w0.18: U8.55@21.376,28.911 24.927,28.911 25.345,29.352 RN7.3@25.831,29.366
D14: RN7.2 U8.56 | length 4.7
  Top Layer w0.18: U8.56@21.376,29.311 24.827,29.311 25.348,29.855 RN7.2@25.831,29.866
D15: RN7.1 U8.57 | length 4.8
  Top Layer w0.18: U8.57@21.376,29.711 24.675,29.73 25.387,30.451 RN7.1@25.831,30.454
D16: RN4.8 U8.60 | length 4.4
  Top Layer w0.18: U8.60@19.588,30.486 19.588,33.241 20.461,34.114 RN4.8@20.461,34.529
D17: RN4.7 U8.61 | length 4.2
  Top Layer w0.18: U8.61@19.188,30.486 19.188,33.342 19.876,34.029 RN4.7@19.876,34.358
D18: RN4.6 U8.62 | length 4.3
  Top Layer w0.18: U8.62@18.788,30.486 18.788,33.441 19.38,34.033 RN4.6@19.38,34.529